# Altium PCB ADC130MSPS-V1-01.PcbDoc (part 1 of 7)
Units mil, origin at the board's own origin, x right, y up, seen from the top; angles counter-clockwise.
Board outline 3011.81 x 2716.54 mil, 8 copper layers (Top Layer, GND1, L3, GND2, L5, GND3, POWER, Bottom Layer), stack 53.051 mil thick; 405 components, 449 nets, 2142 pads, 1651 vias.
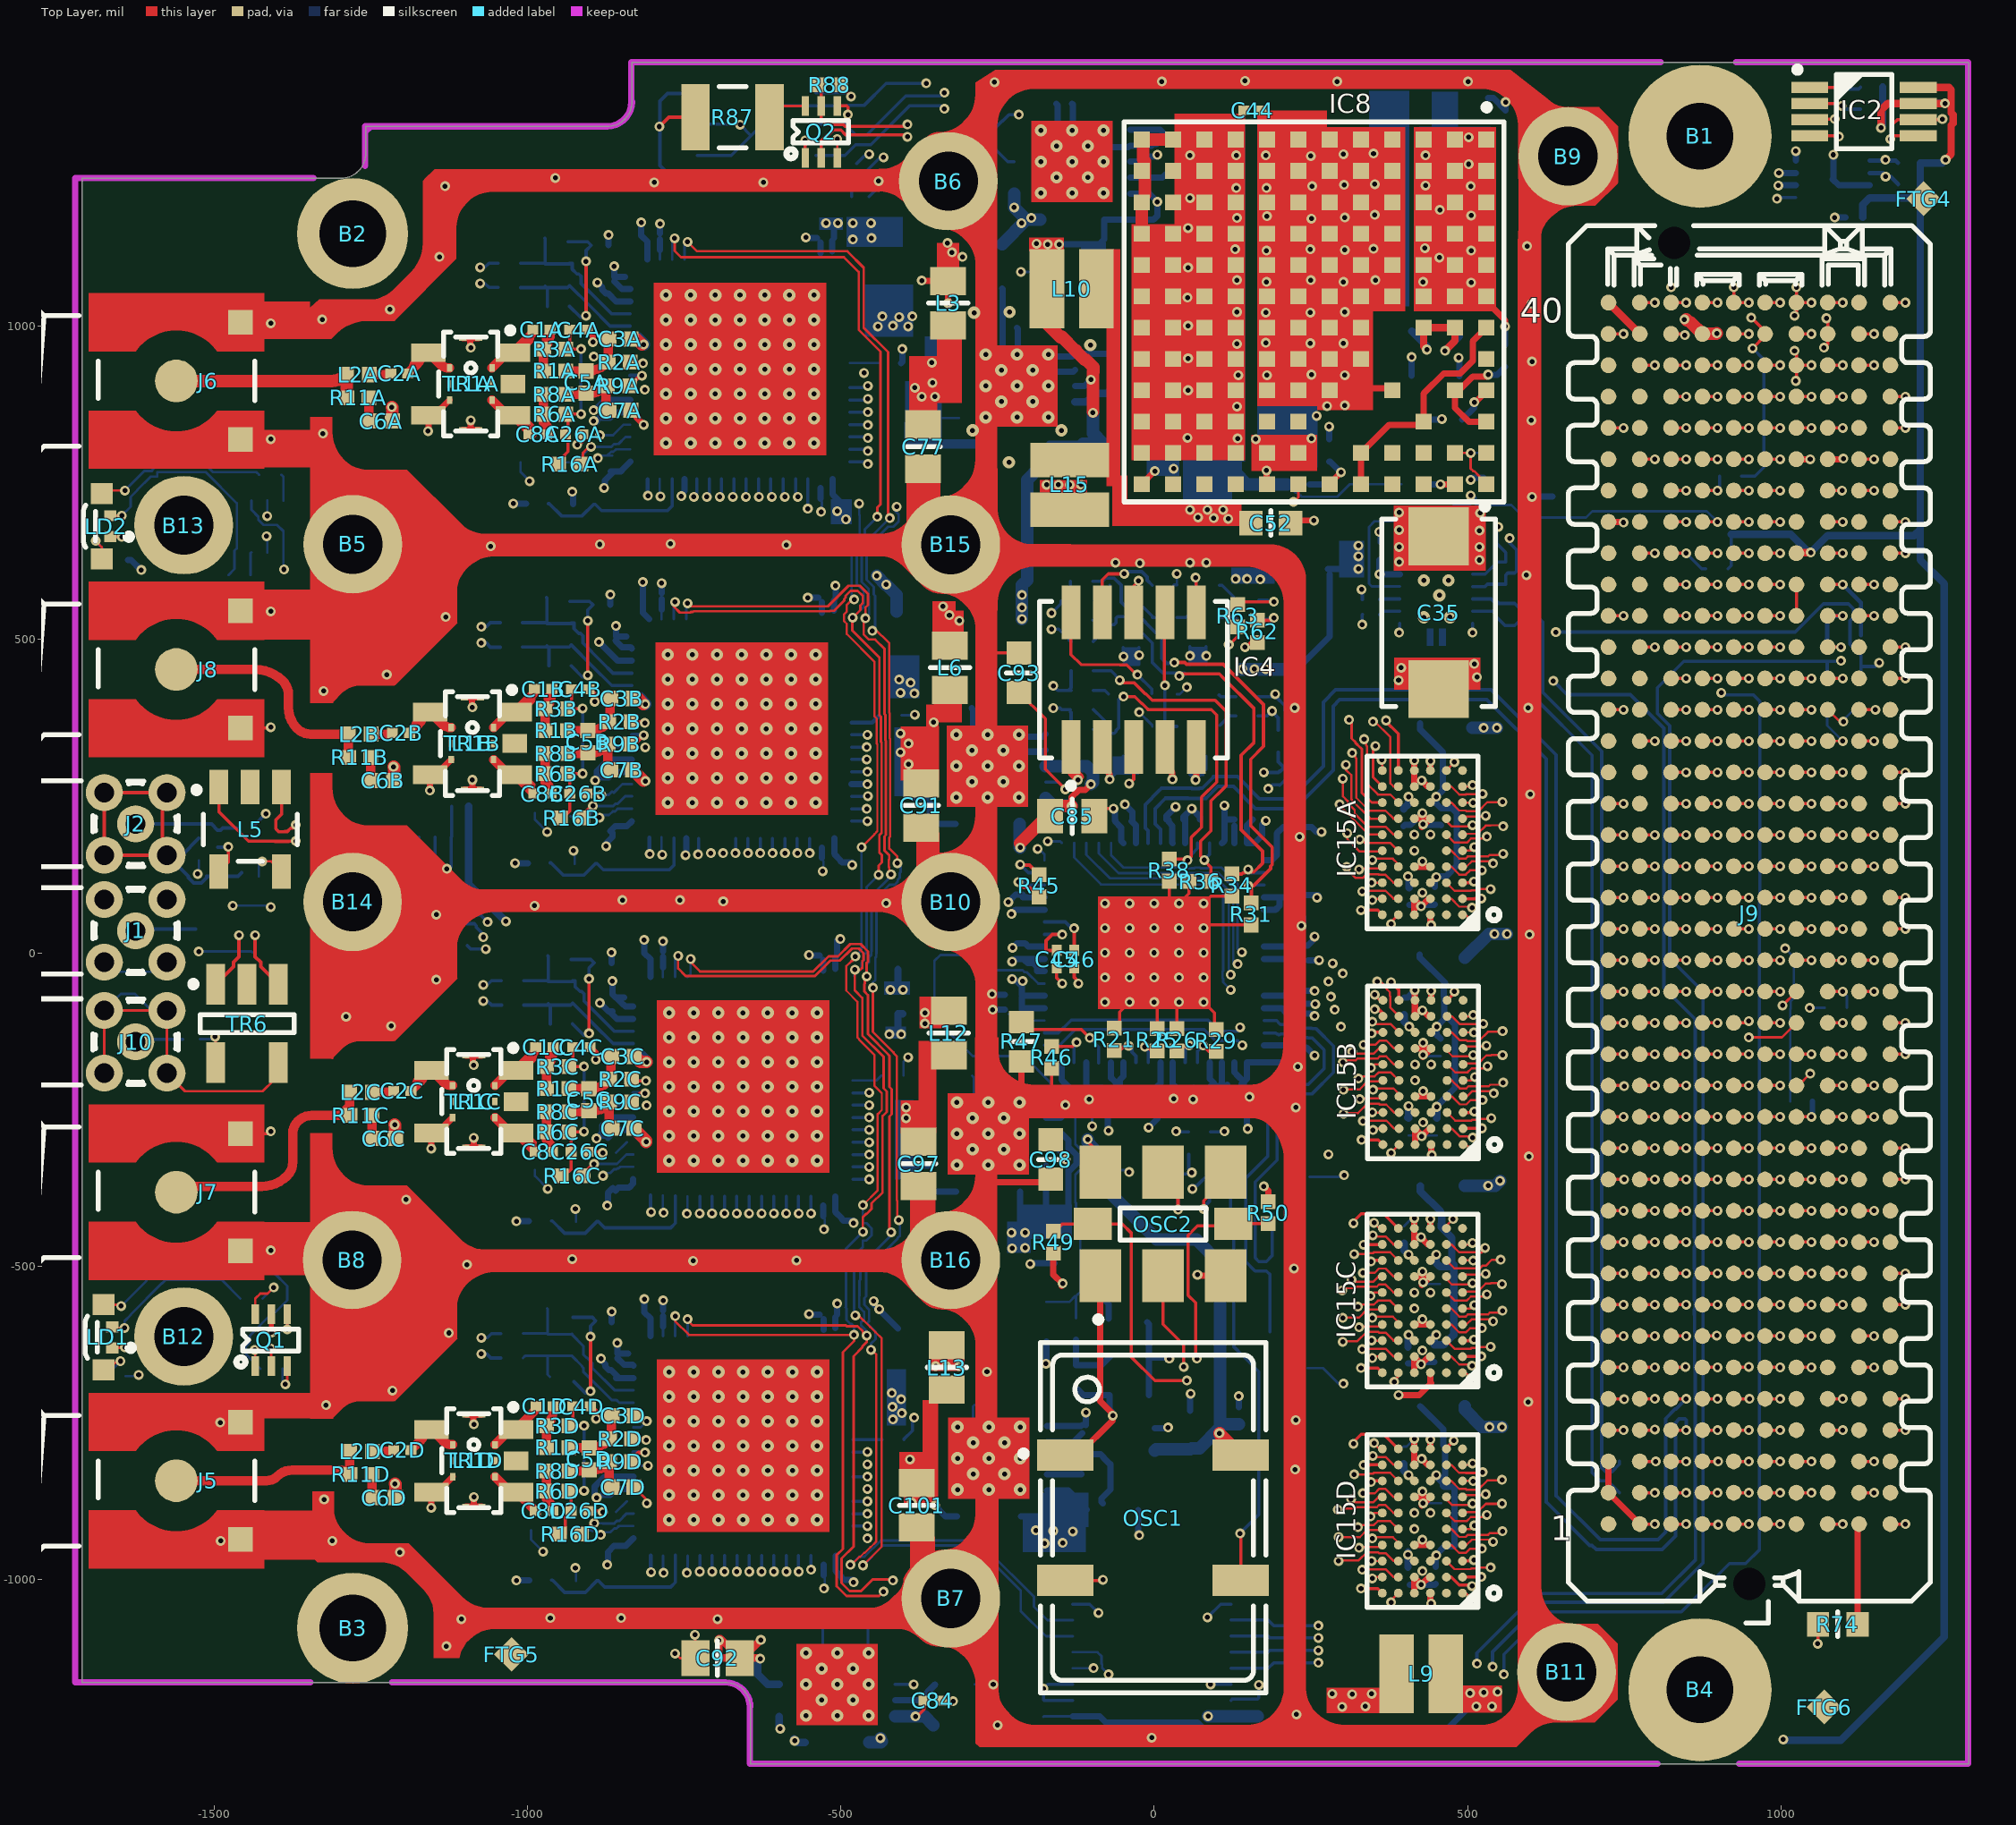
[diagram p0: Top Layer view]
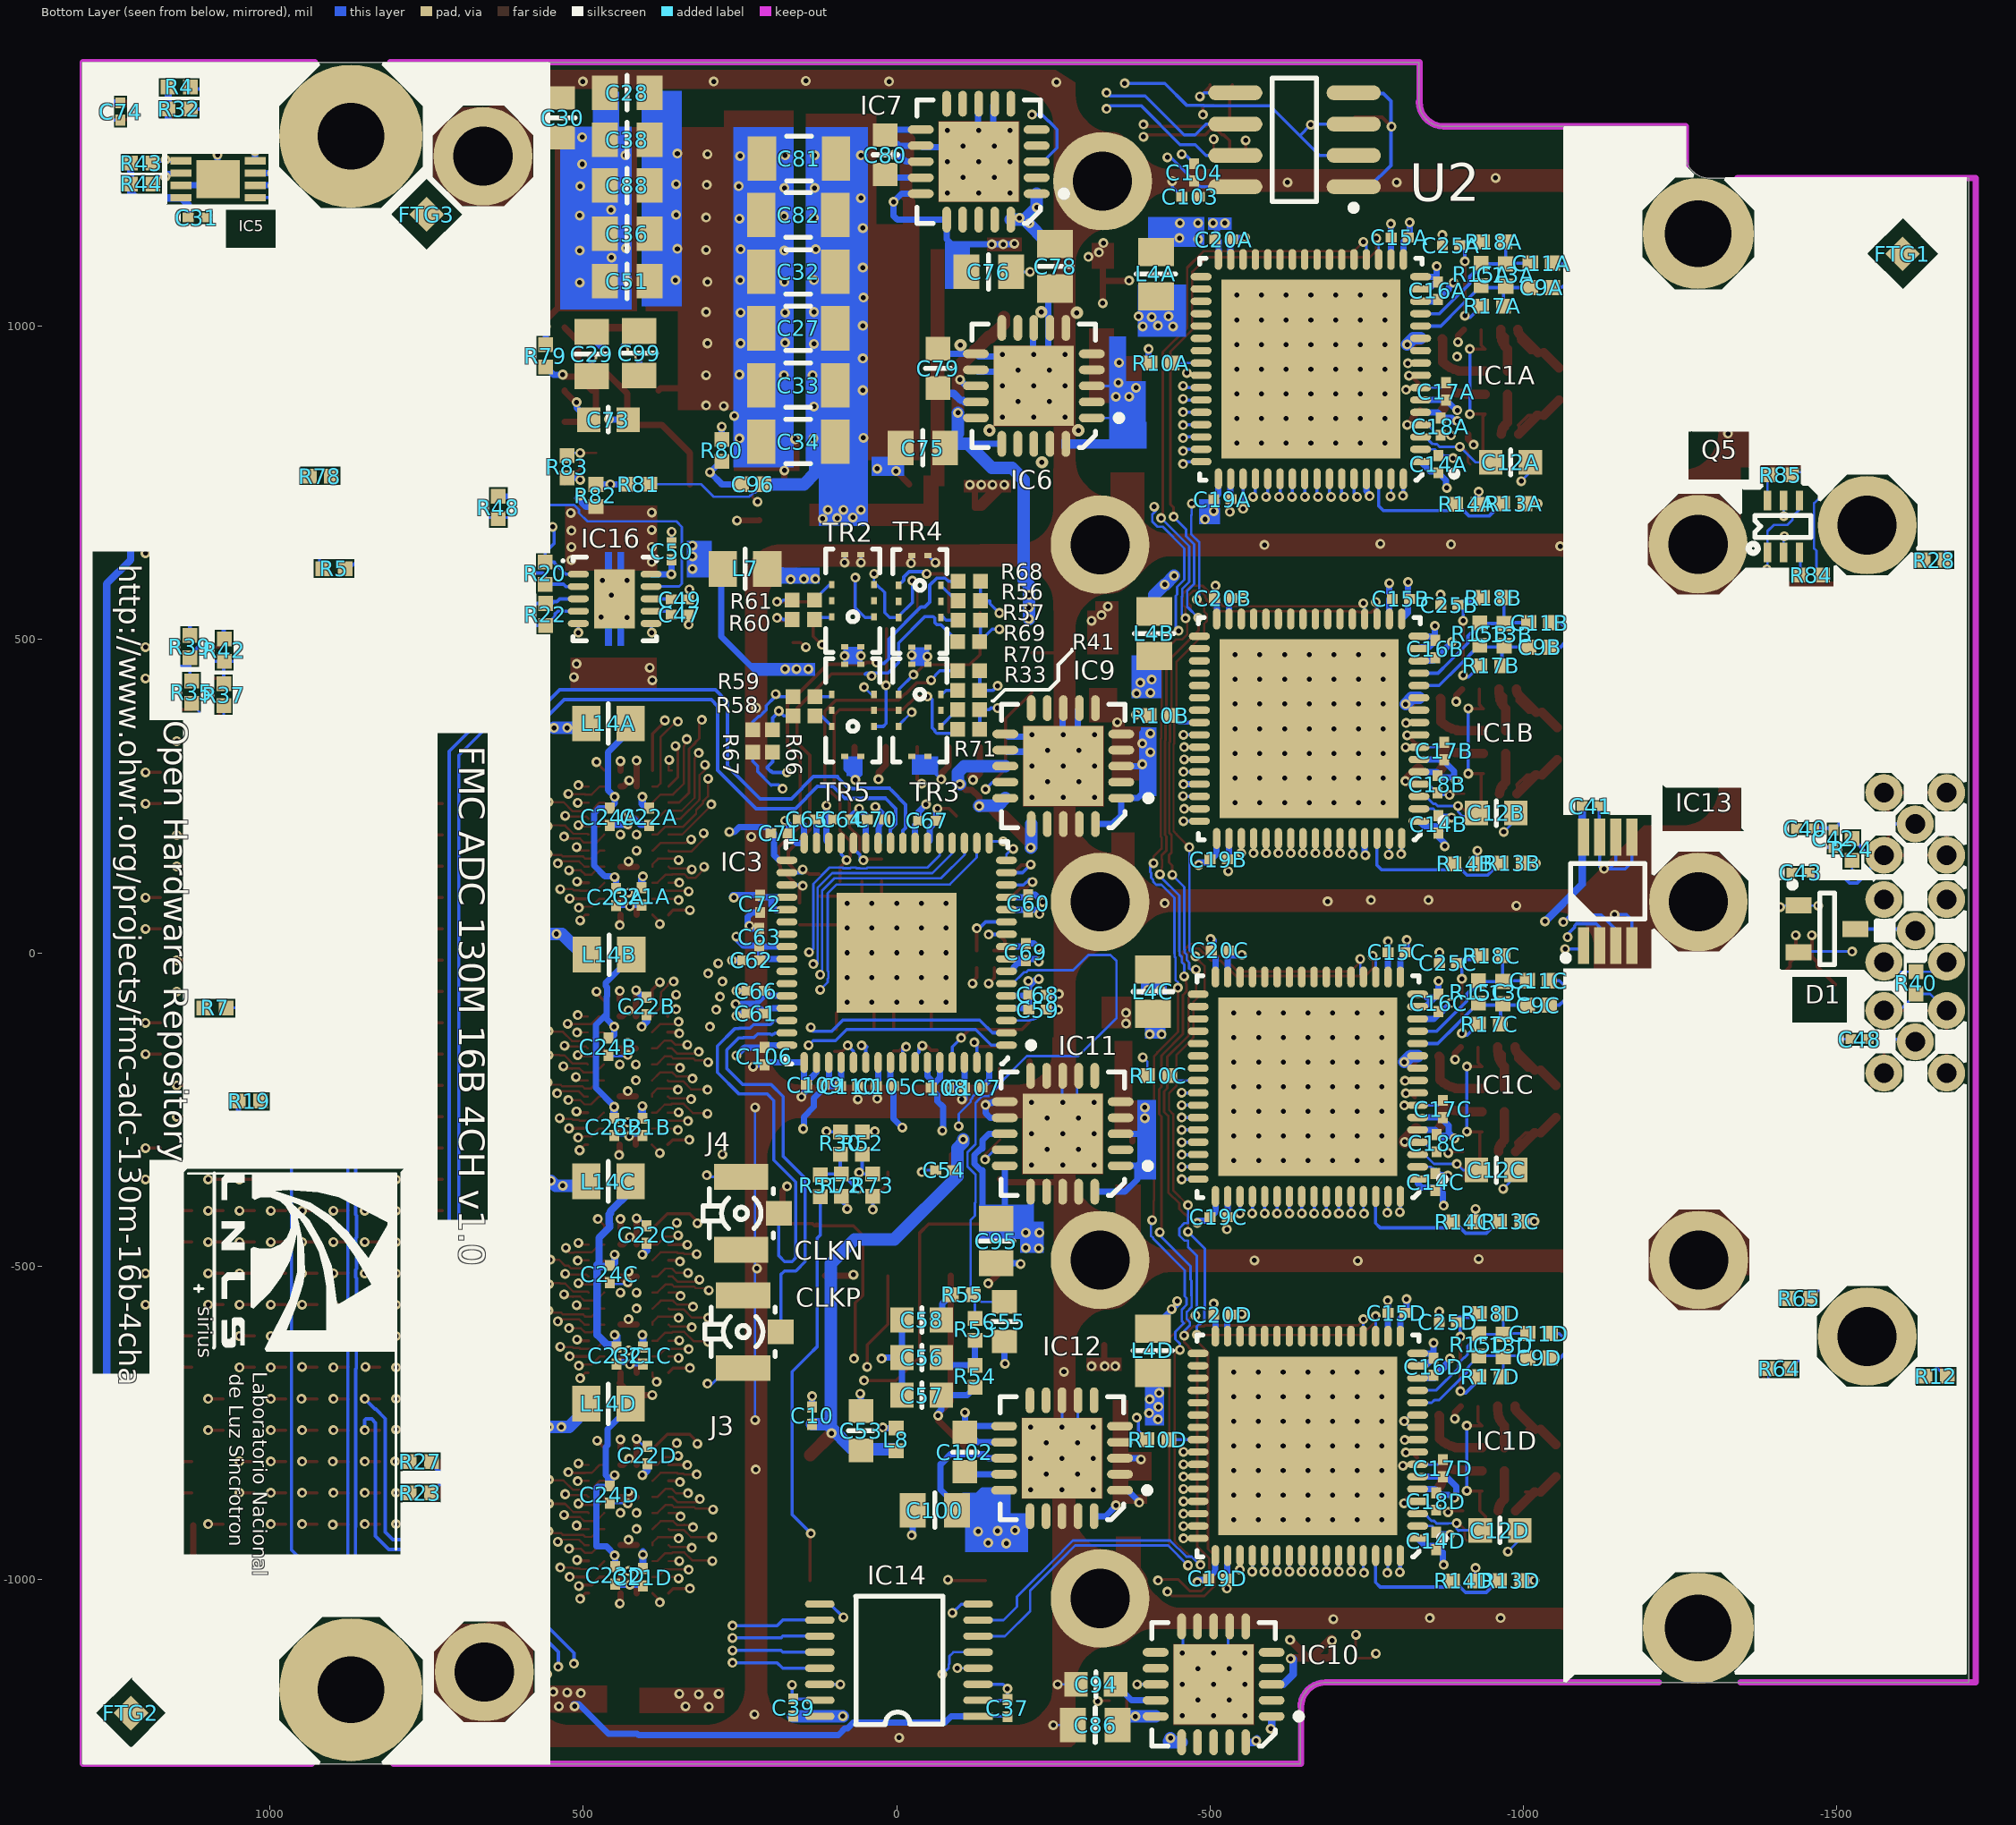
[diagram p1: Bottom Layer view, seen from below]
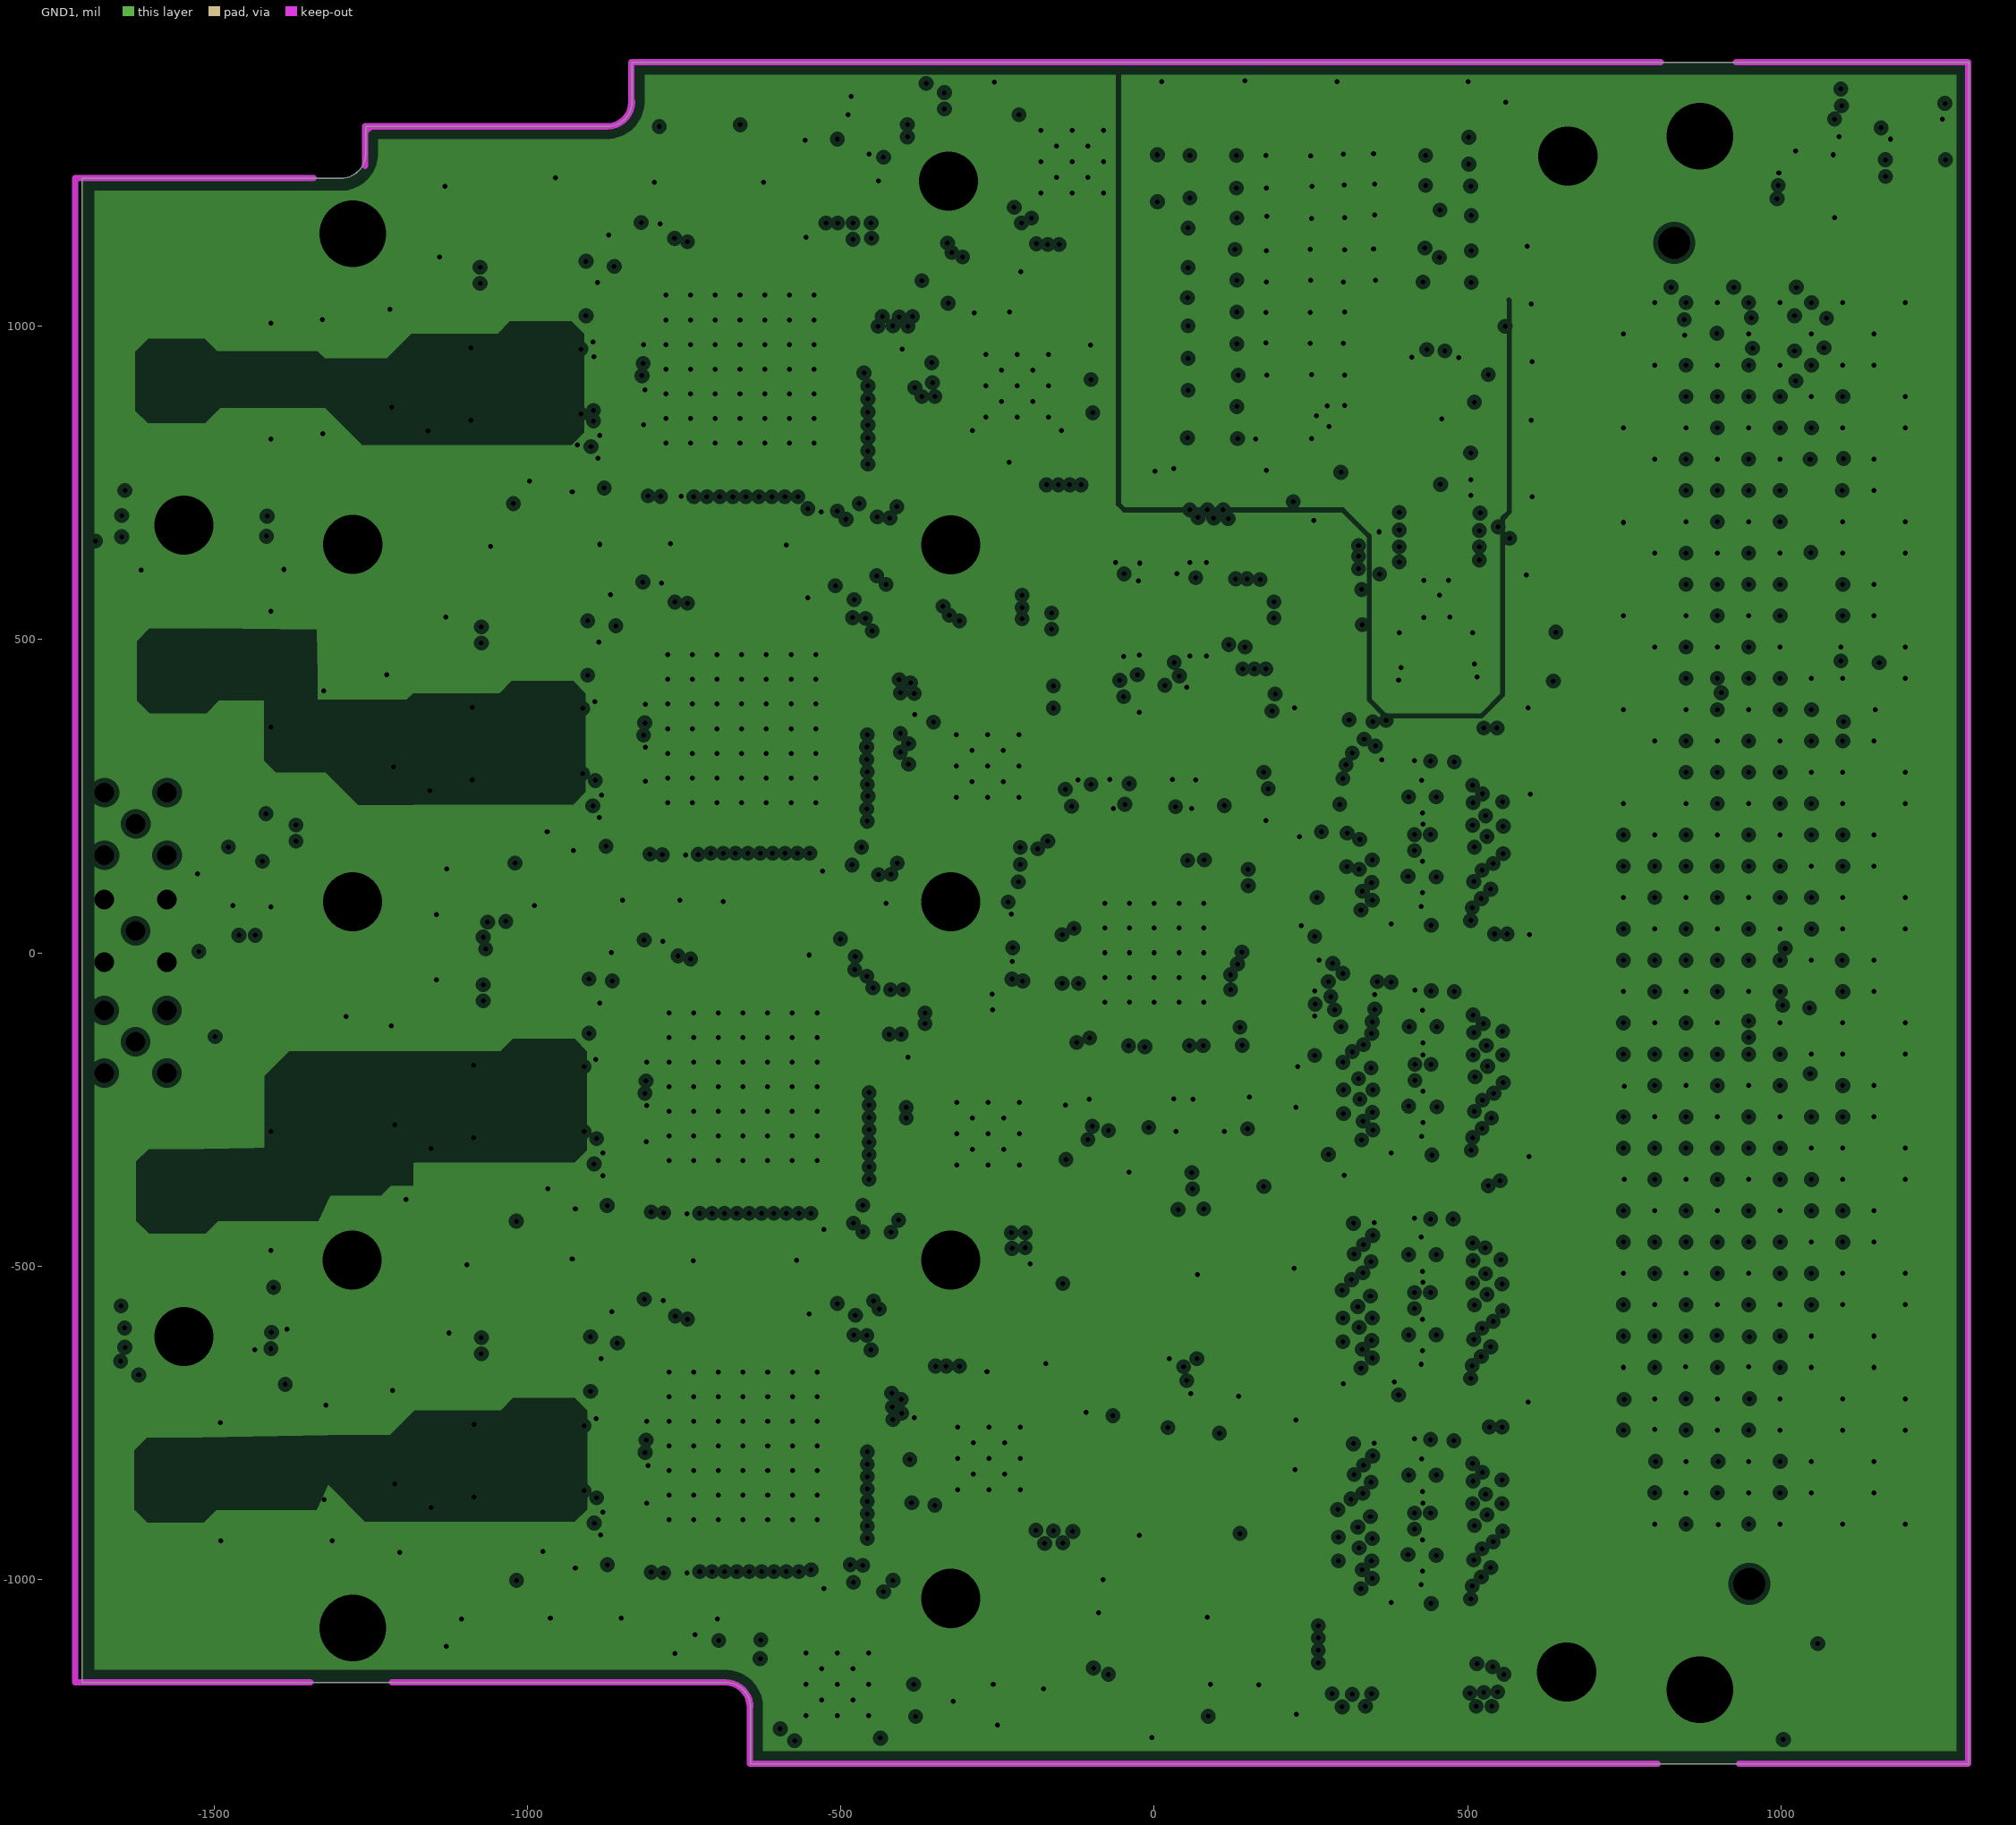
[diagram p2: GND1, clearances drawn from the general rule]
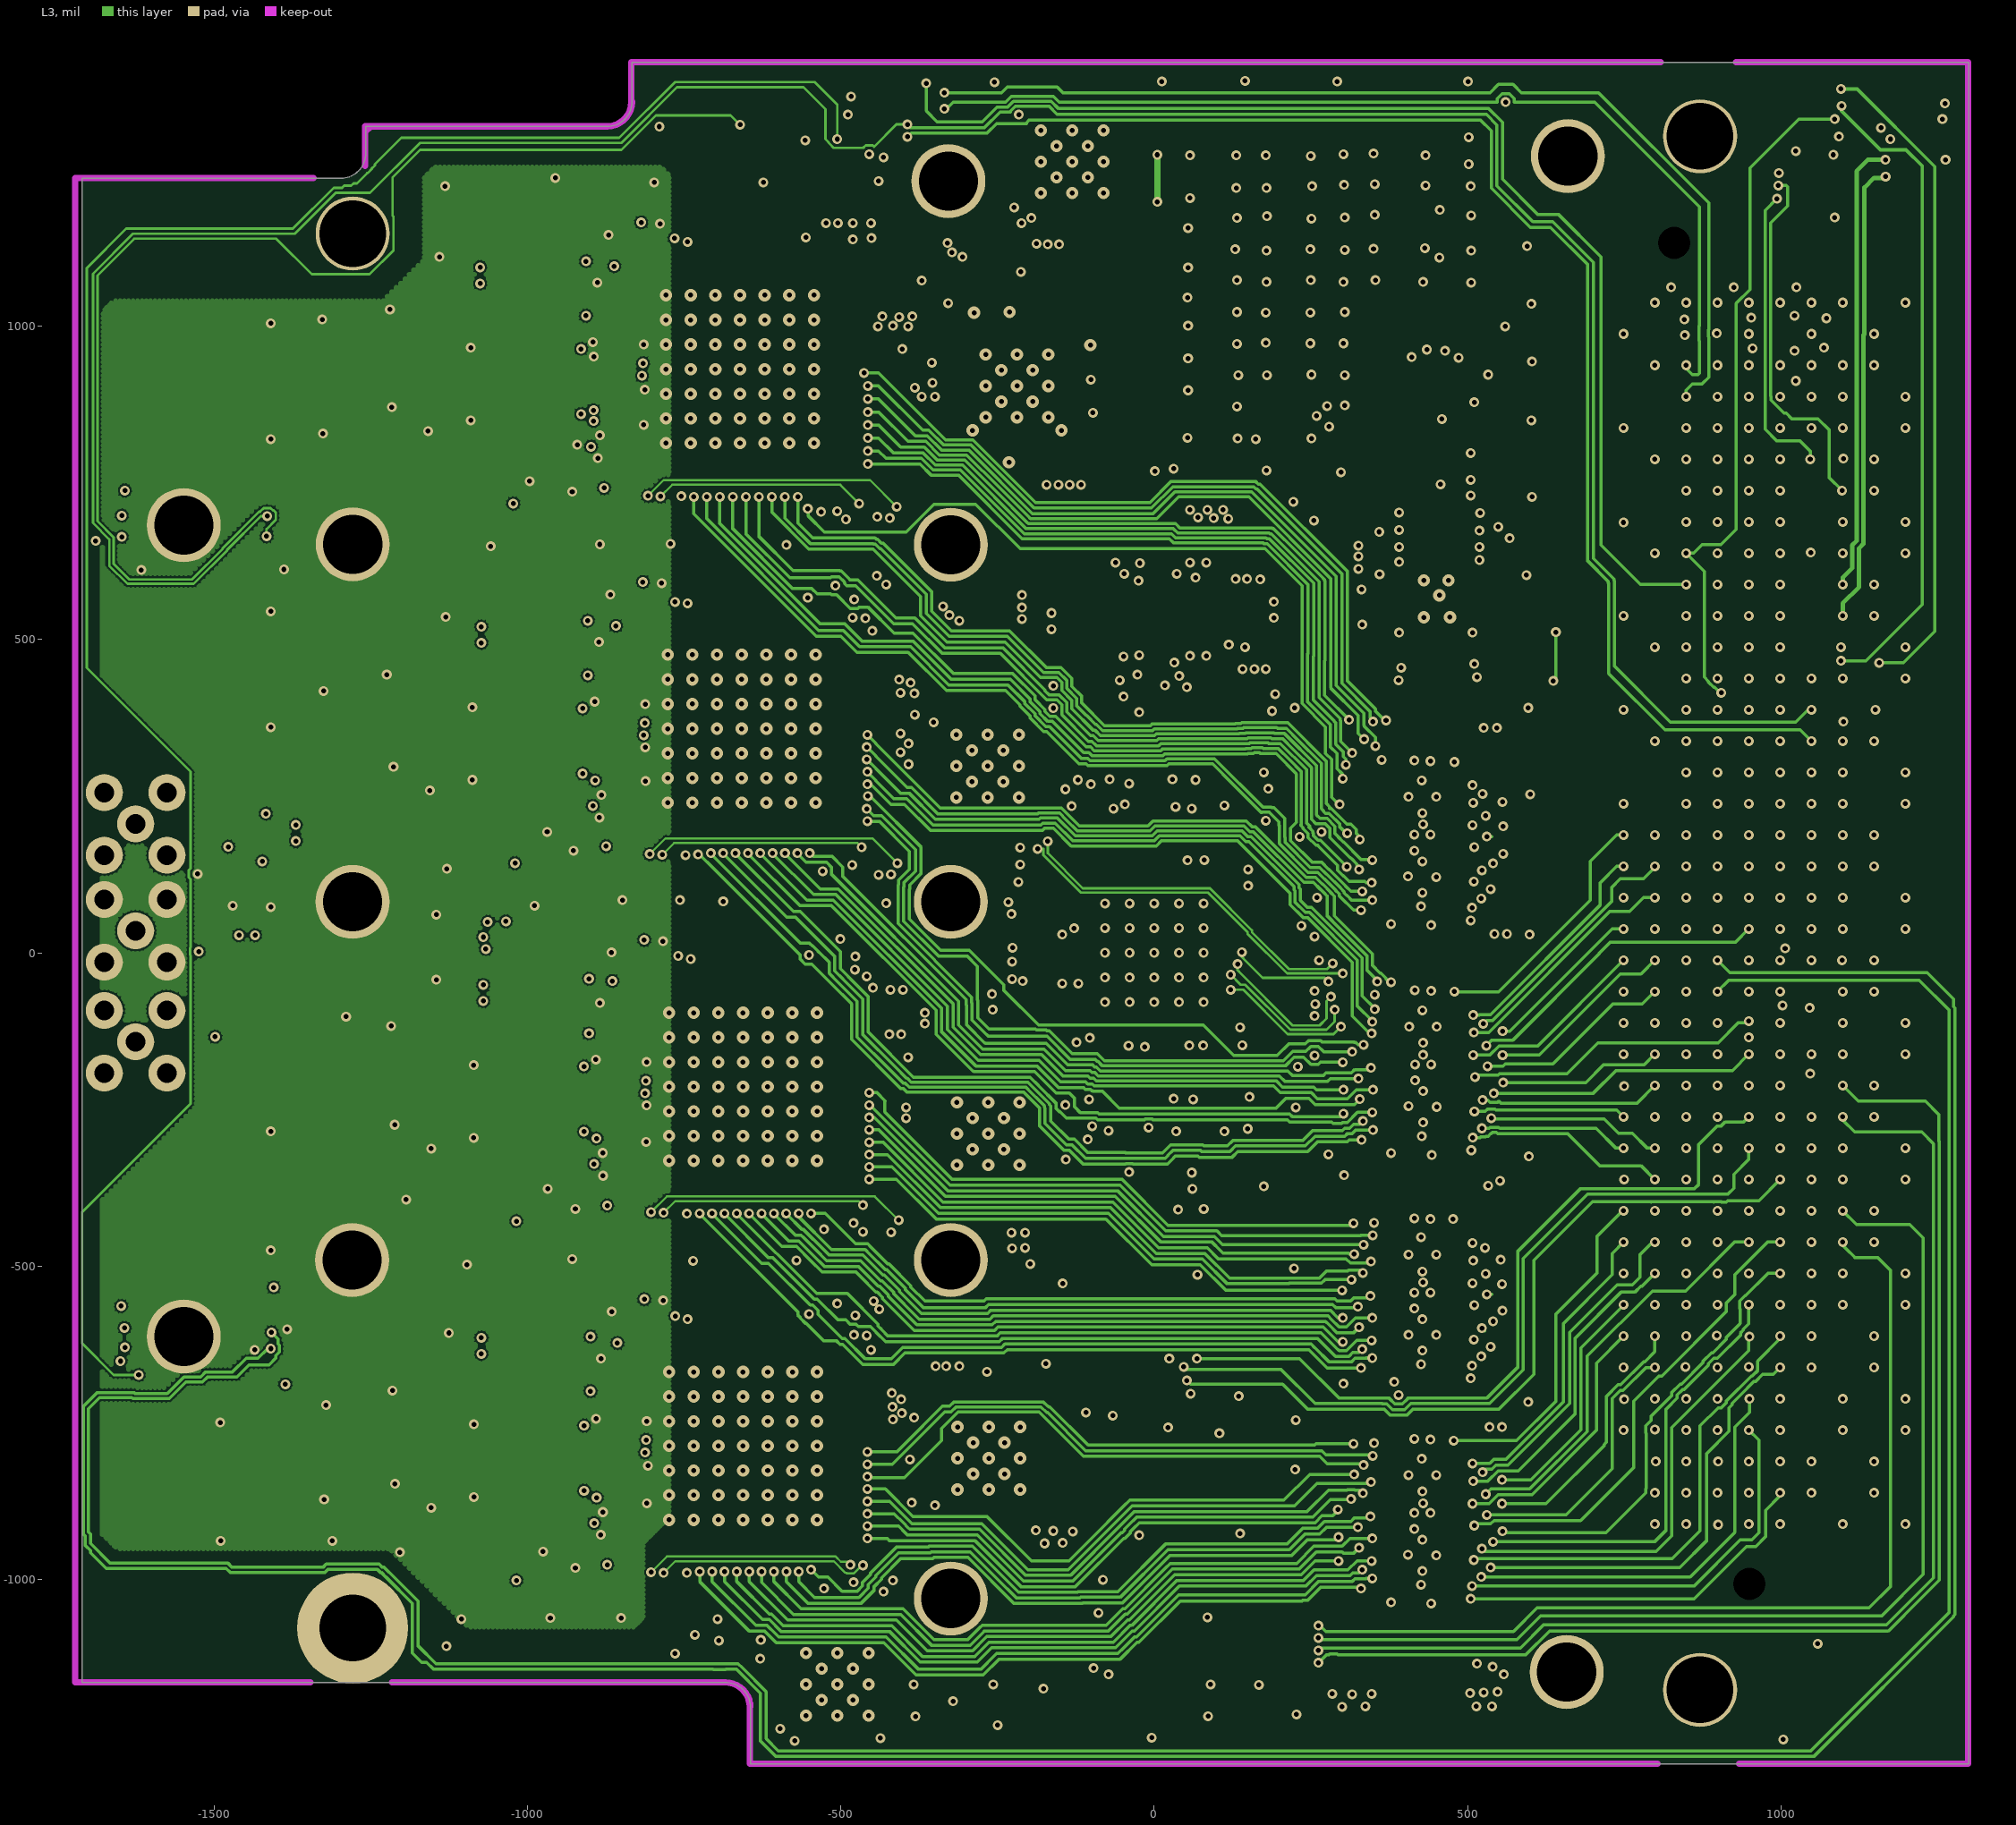
[diagram p3: L3]
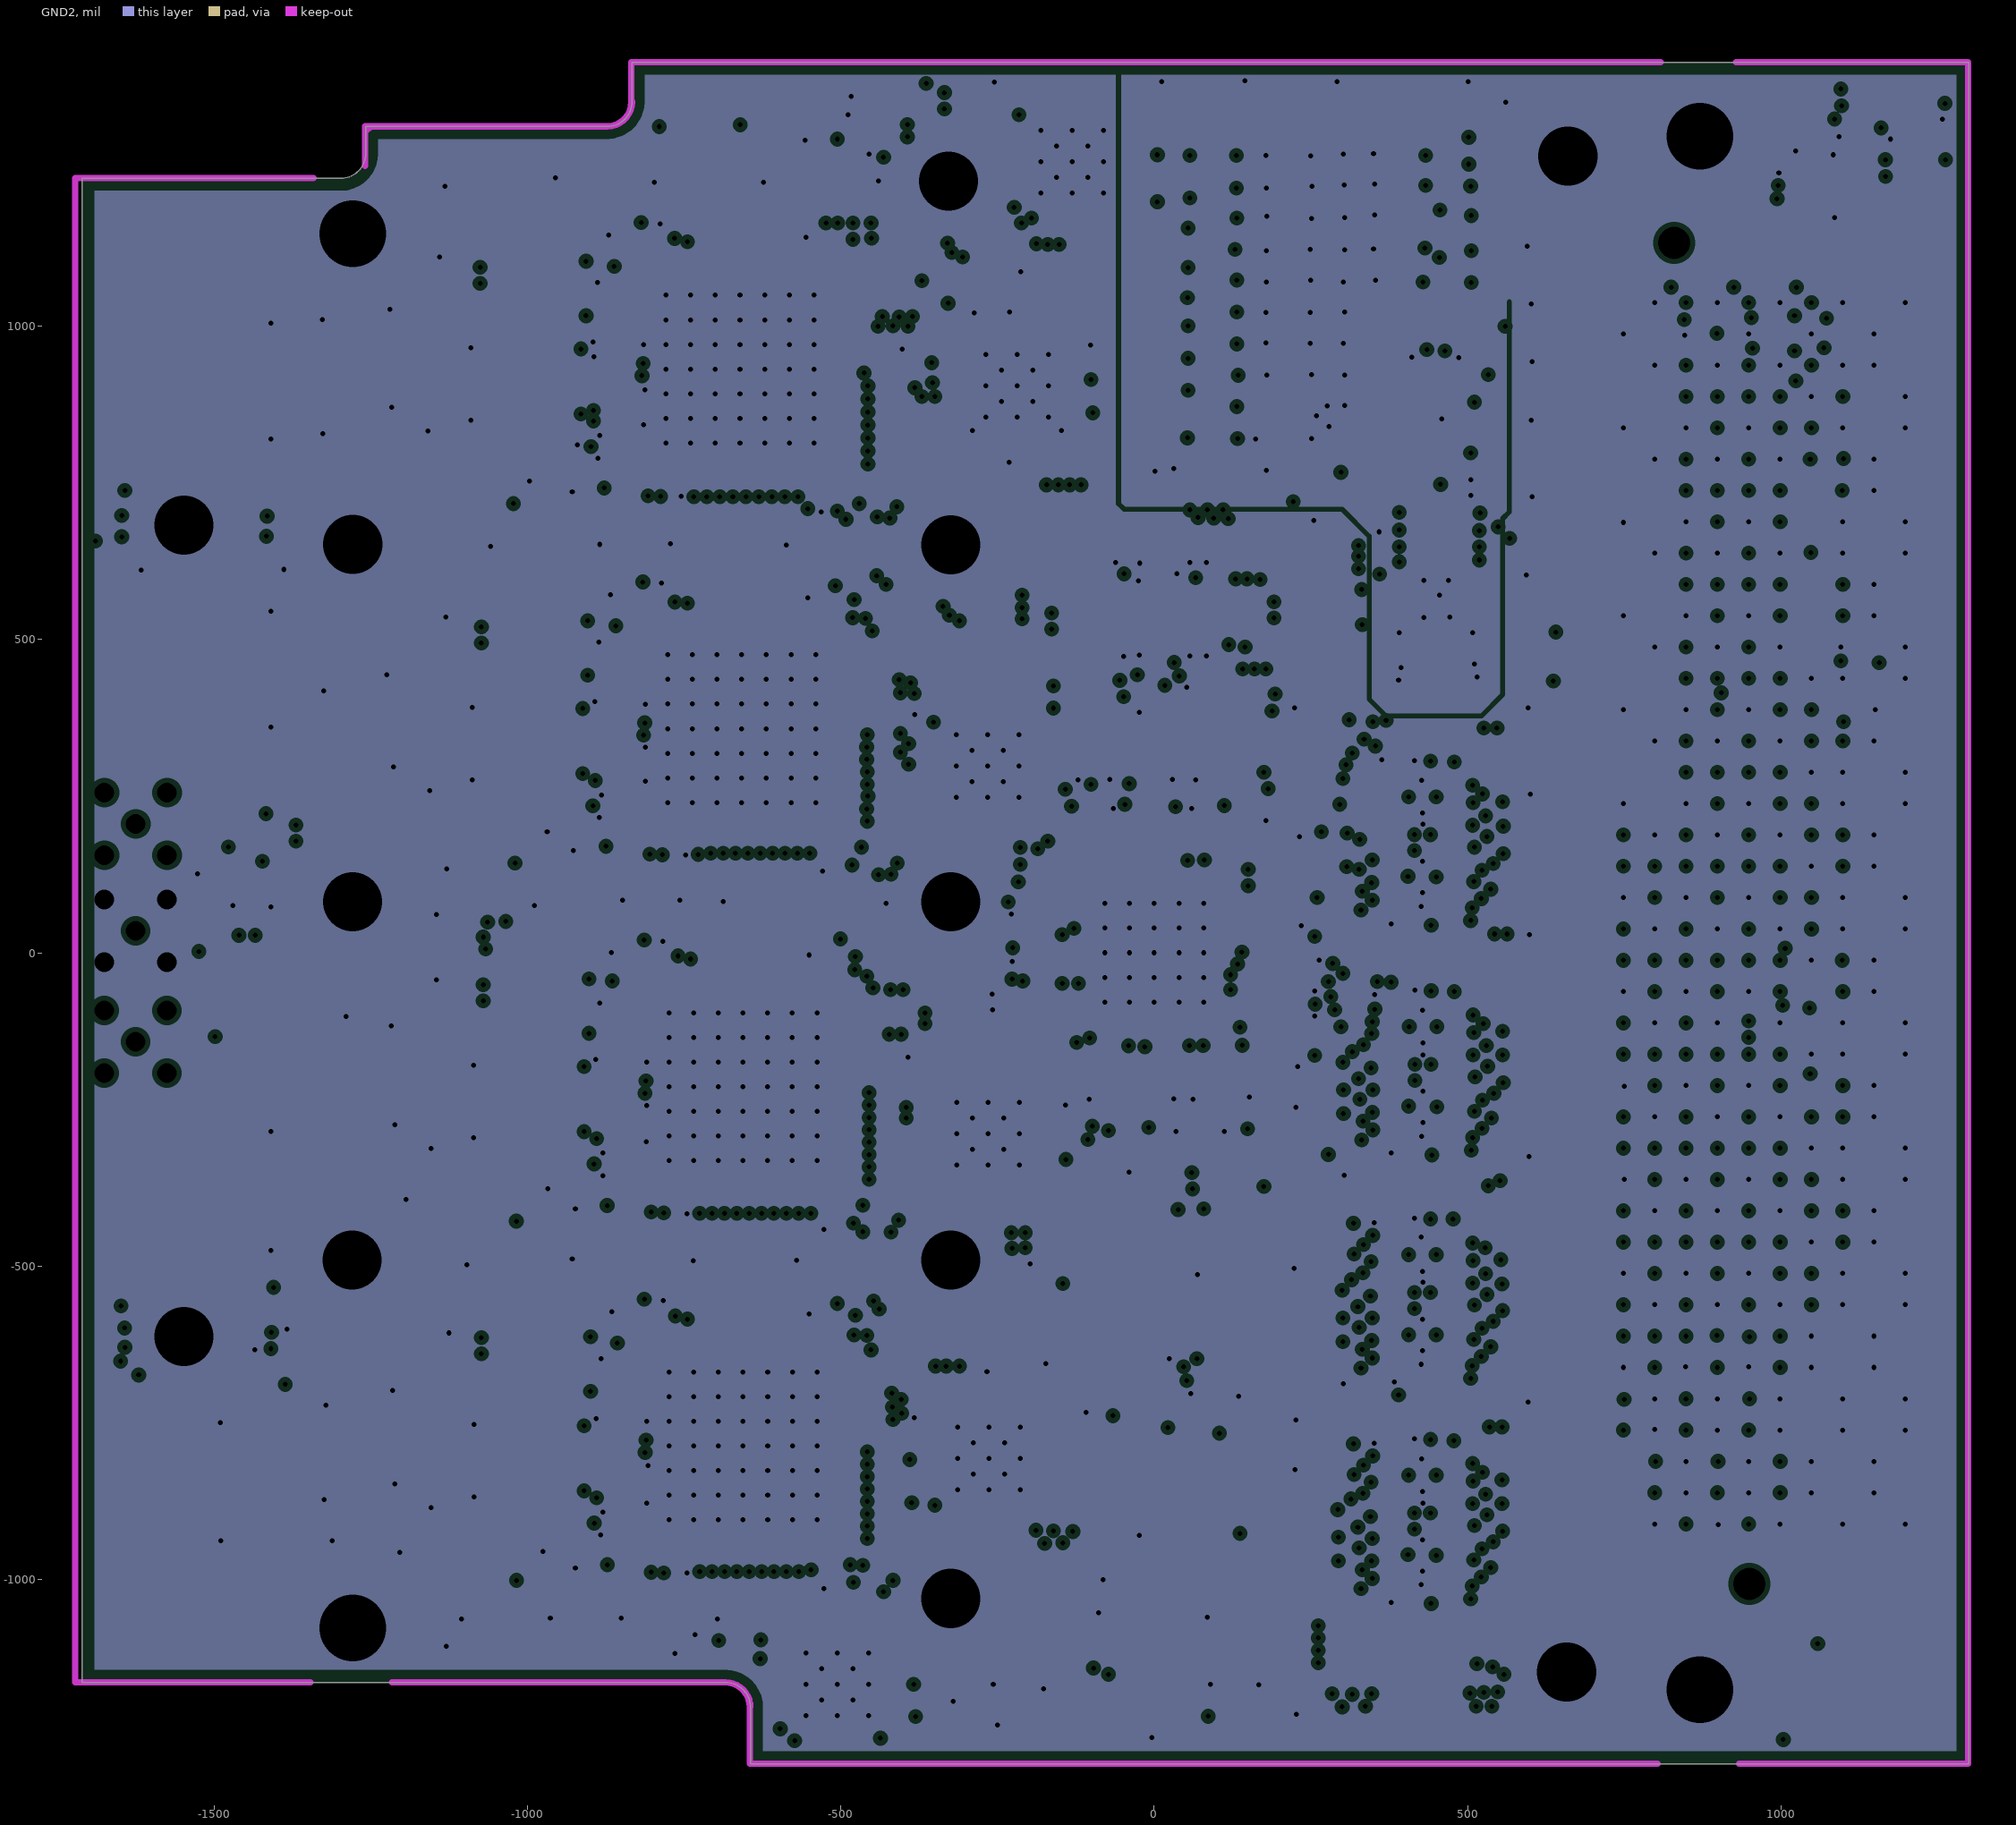
[diagram p4: GND2, clearances drawn from the general rule]